# Altium PCB ui_brd_raton_v0.PcbDoc (part 1 of 4)
Units mm, origin at the board's own origin, x right, y up, seen from the top; angles counter-clockwise.
Board outline 280.16 x 208.53 mm, 2 copper layers (Top Layer, Bottom Layer); 354 components, 324 nets, 1344 pads, 595 vias.
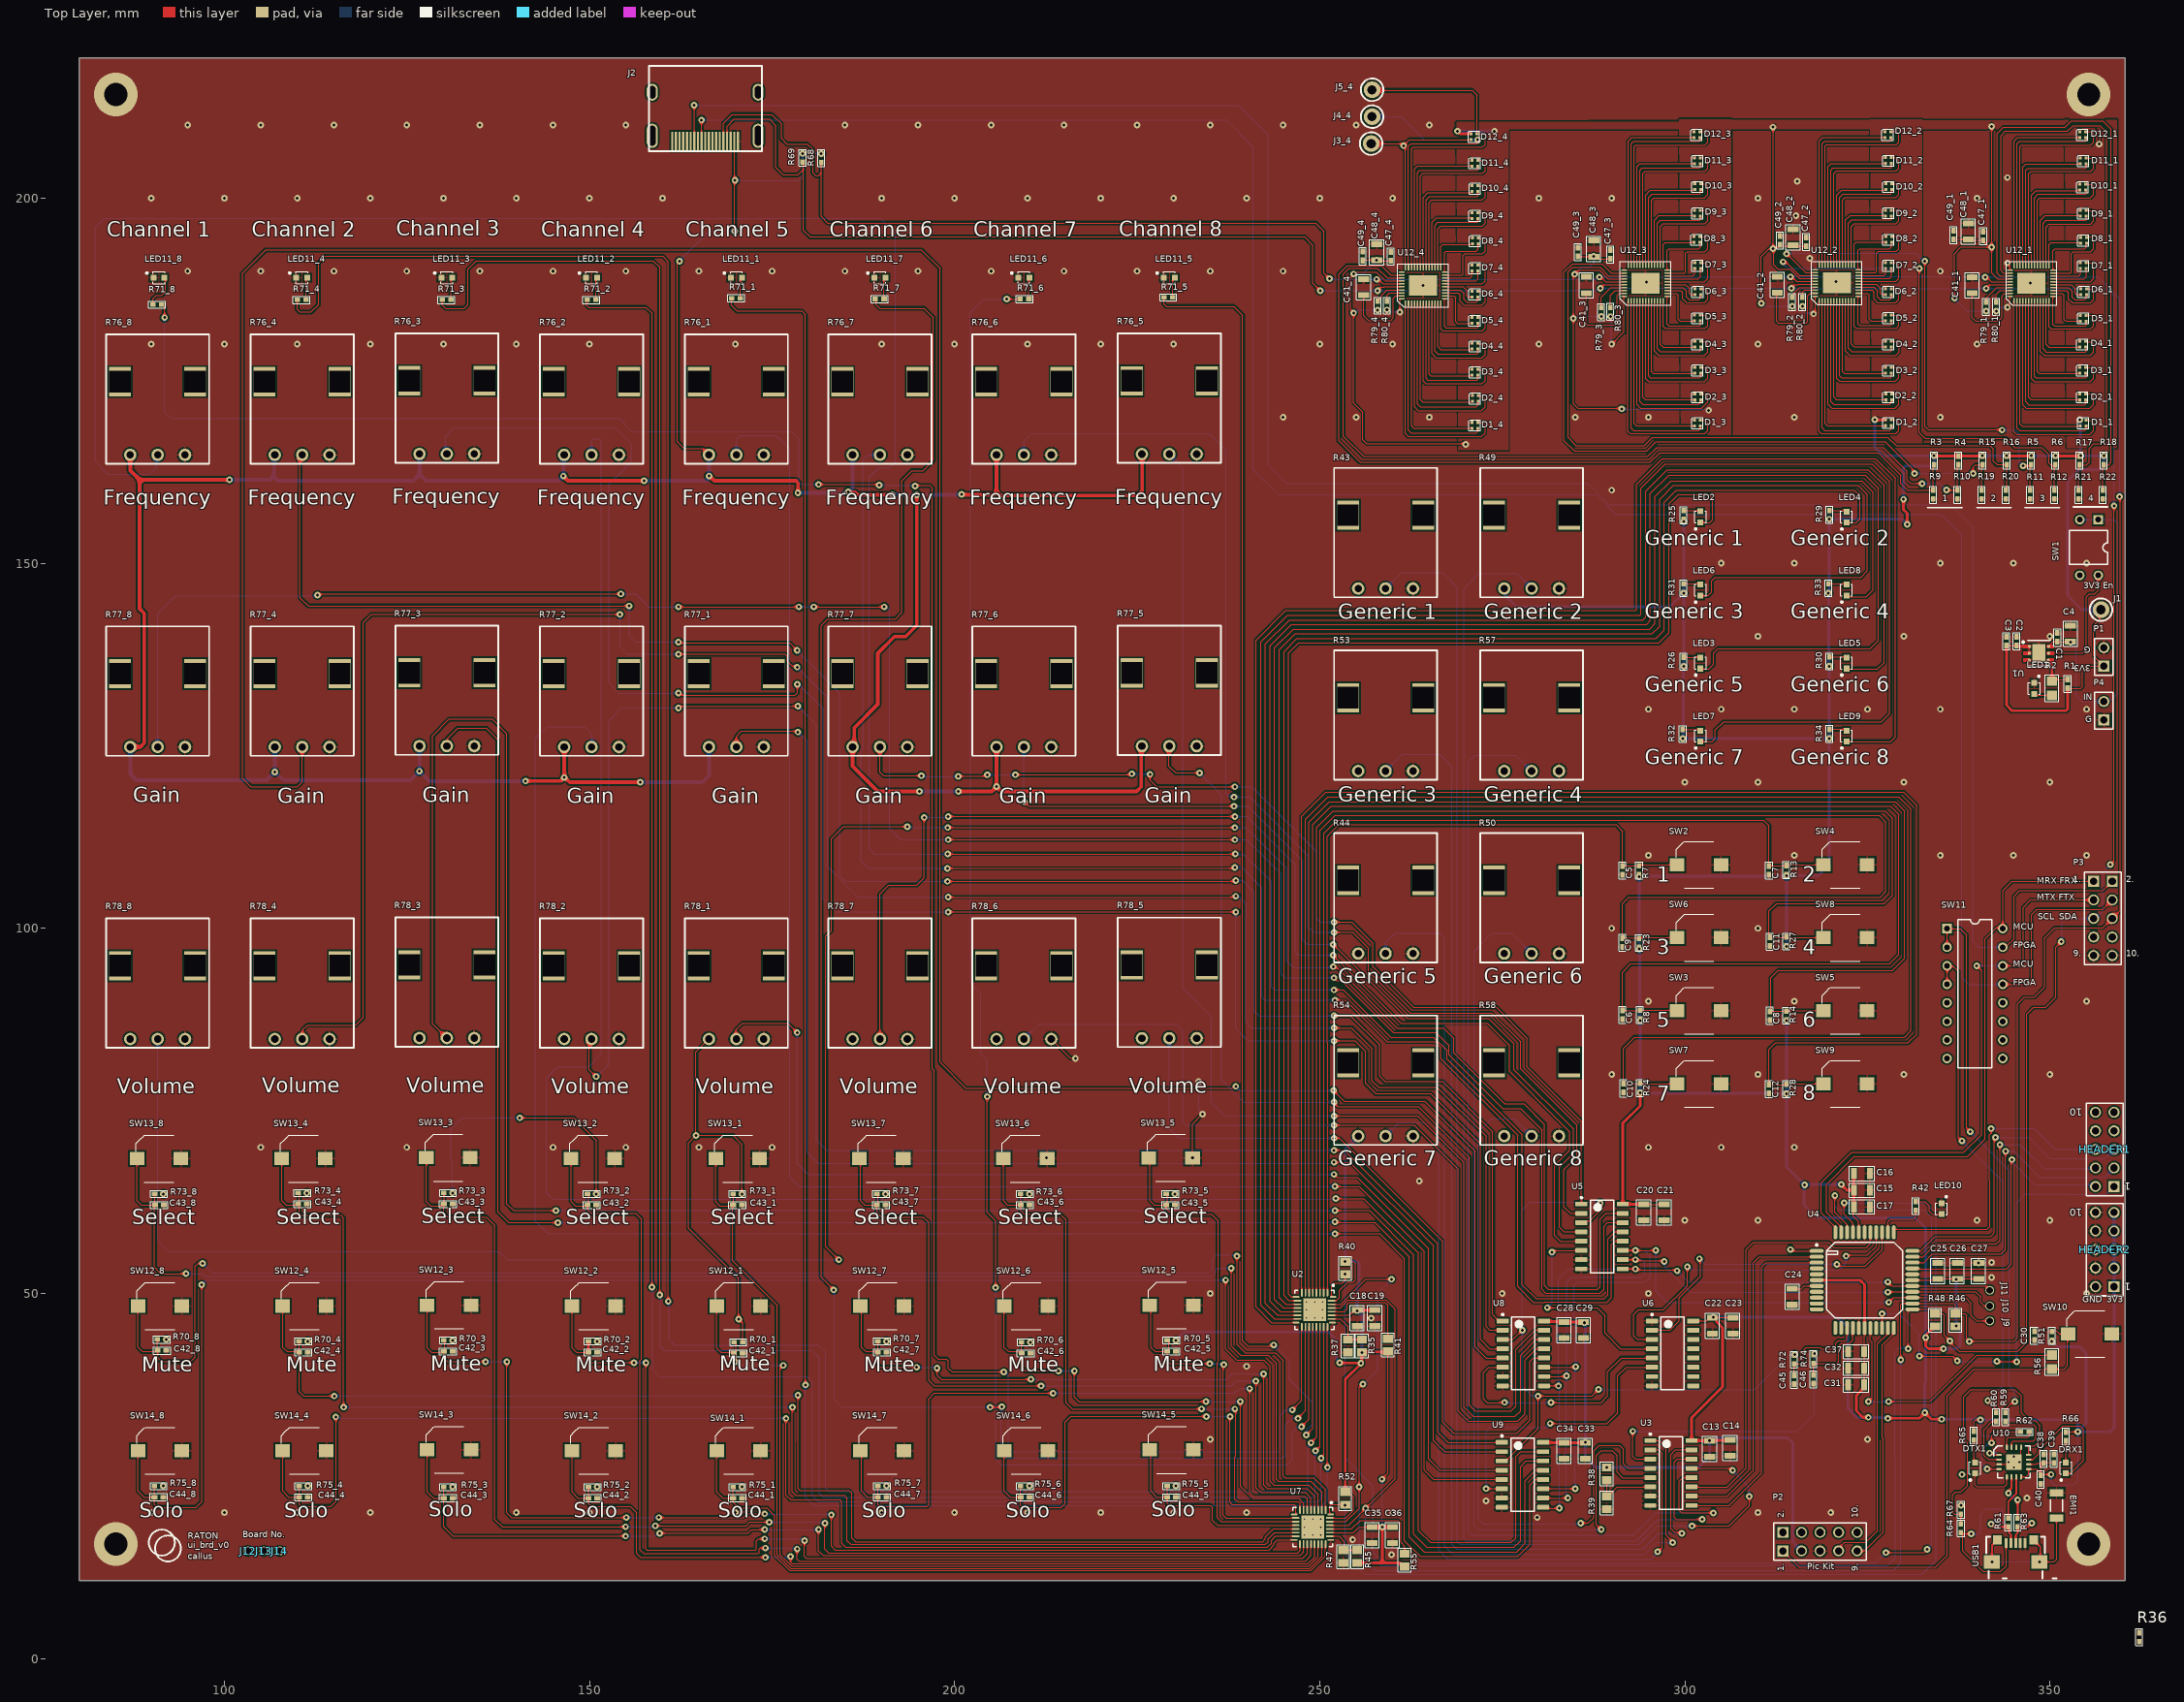
[diagram p0: Top Layer view]
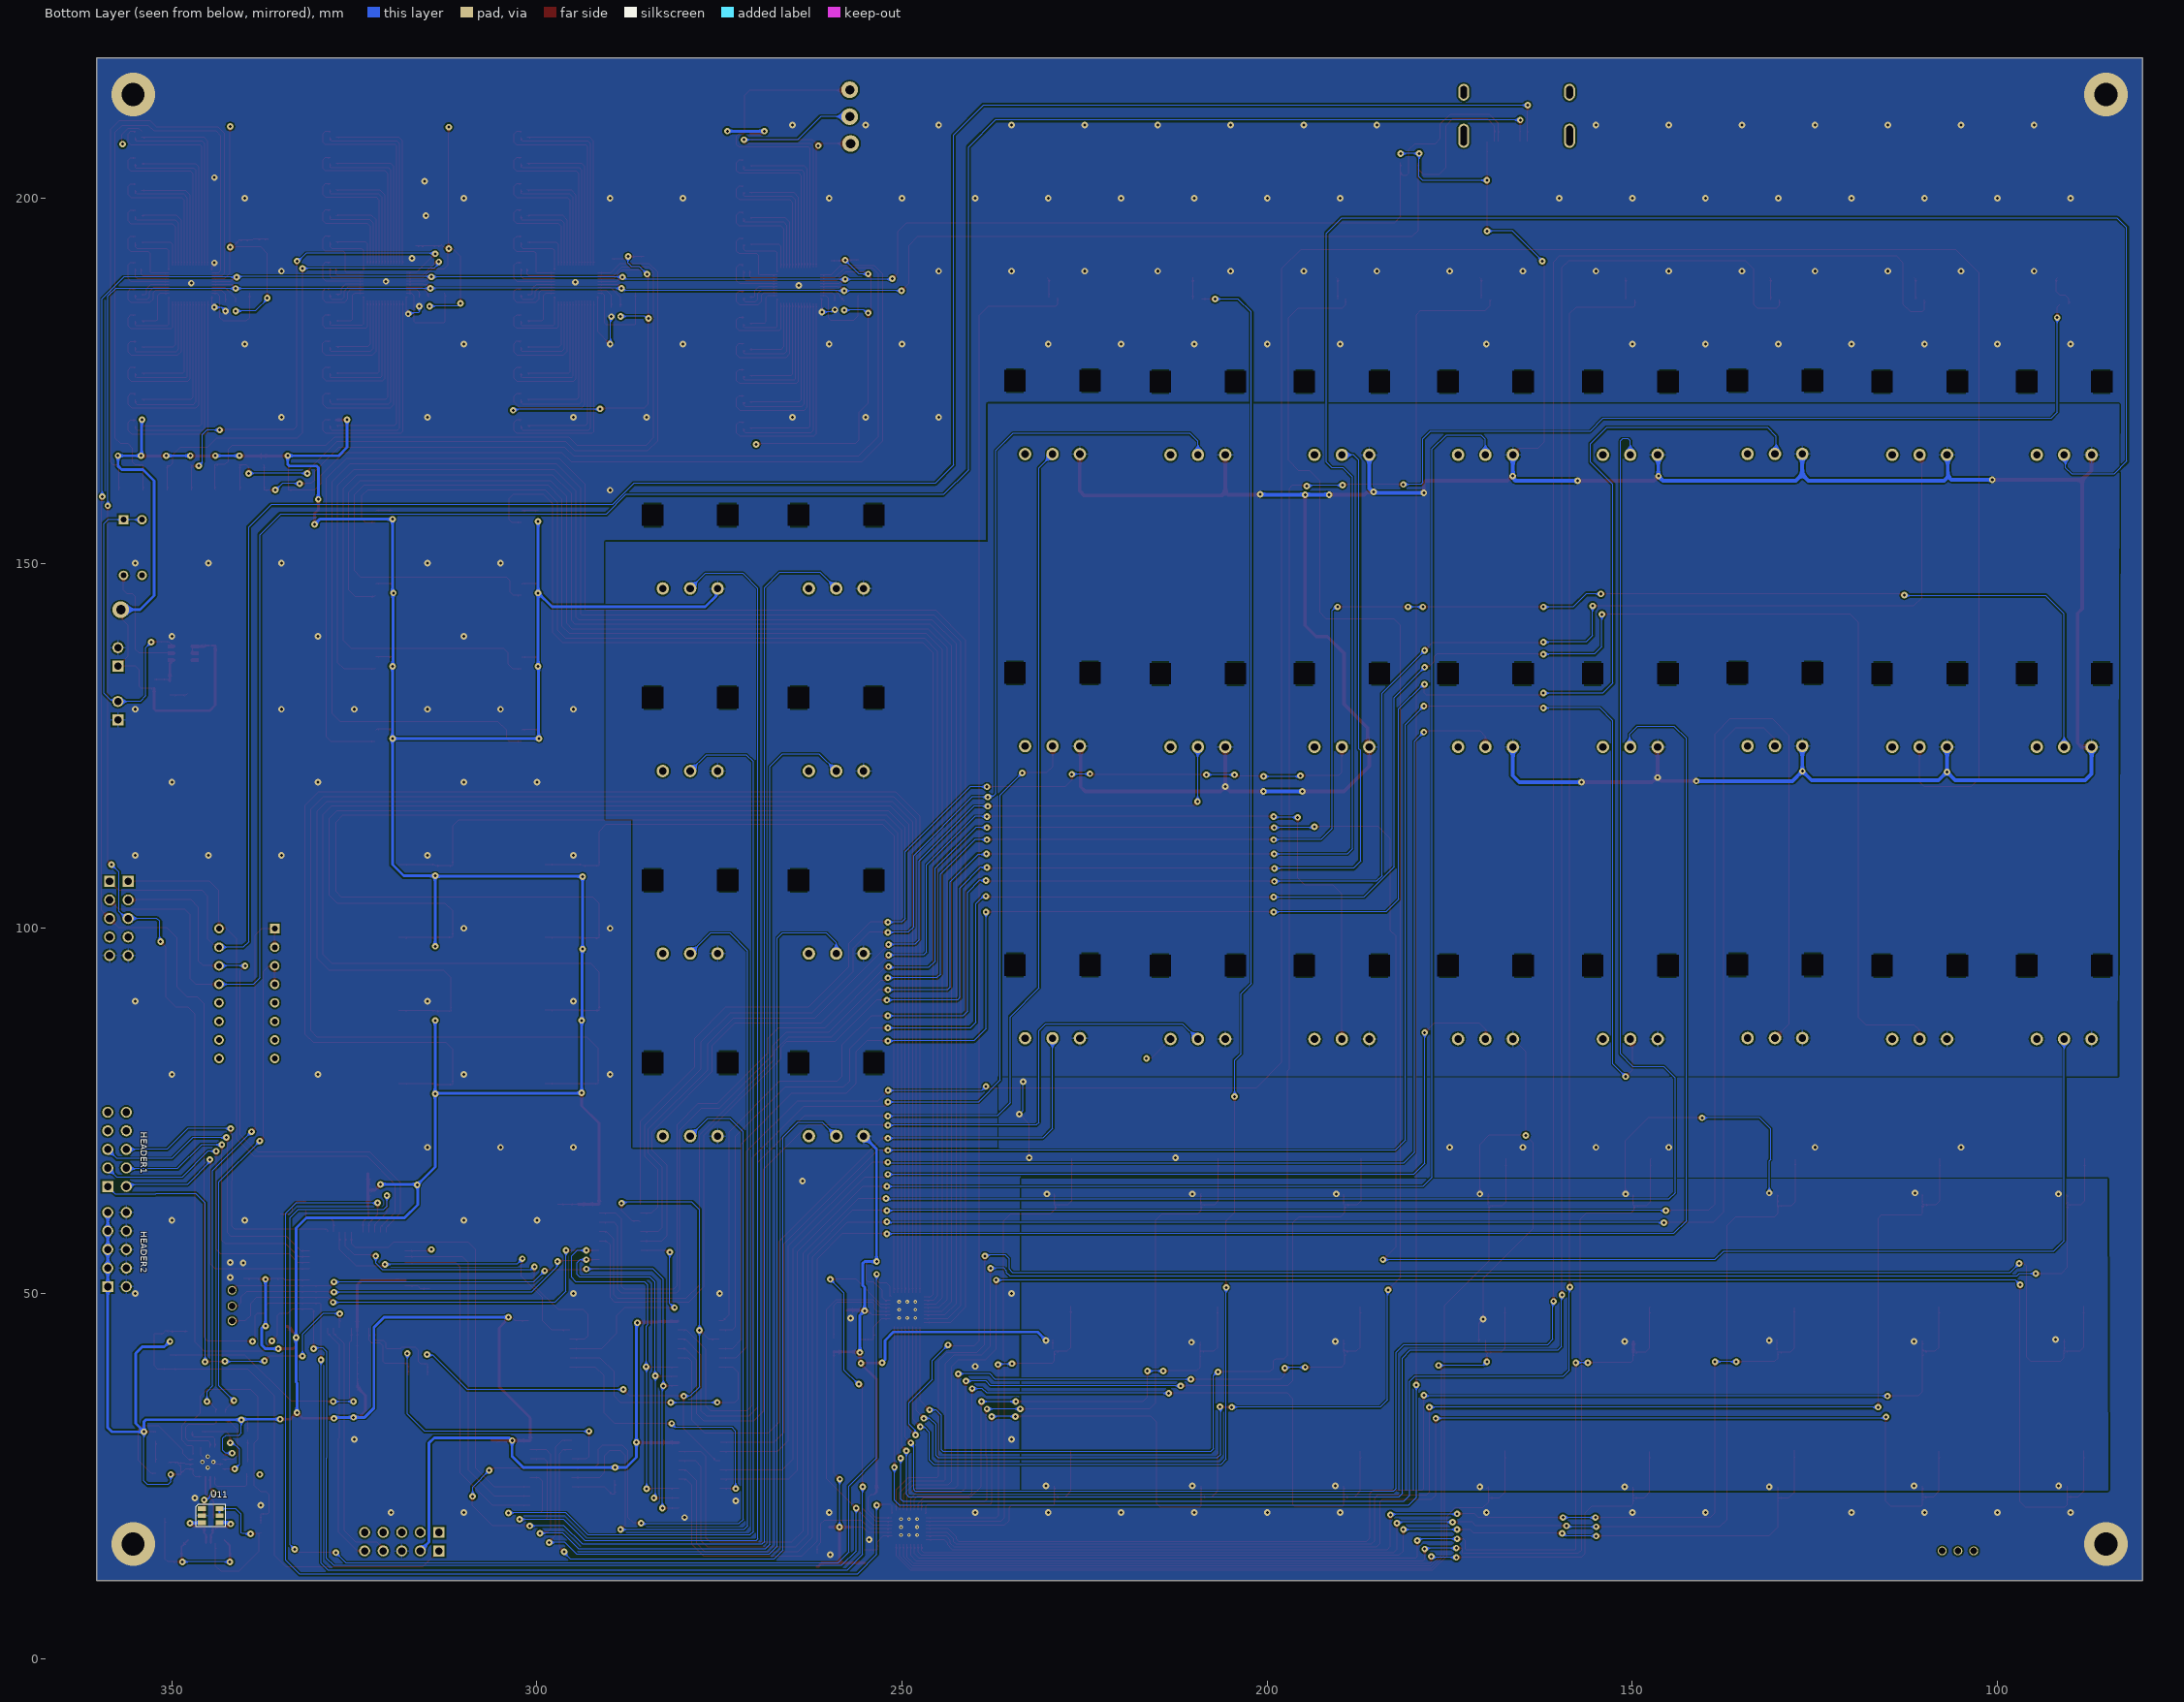
[diagram p1: Bottom Layer view, seen from below]

## Layer stack, top to bottom
Top Solder: solder mask 0.0102, Solder Resist, Dk 3.5
Top Layer: signal copper 0.0356
Dielectric 1: dielectric 0.32, FR-4, Dk 4.8
Bottom Layer: signal copper 0.0356
Bottom Solder: solder mask 0.0102, Solder Resist, Dk 3.5

## Board outline
80.137,10.668 80.137,219.202 360.299,219.202 360.299,10.668

## Design rules (kind name [scope] priority, off if disabled: settings)
Clearance [All] p1: gap=0.152 ignorepadtopadclearanceinfootprint=TRUE except(0: Arc-Hole Track-Hole SMDPad-Hole THPad-Hole Via-Hole Fill-Hole Poly-Hole Region-Hole Text-Hole; 0.22: Arc-Poly Track-Poly SMDPad-Poly THPad-Poly Via-Poly Fill-Poly Poly-Poly Poly-Region Poly-Text)
DiffPairsRouting [All] p1: maxlimit=0.254 minlimit=0.254 mostfreqgap=0.254 toplayer_minwidth=0.381 toplayer_maxwidth=0.381 toplayer_prefwidth=0.381 bottomlayer_minwidth=0.381 bottomlayer_maxwidth=0.381 bottomlayer_prefwidth=0.381 maxuncoupledlength=12.7
HoleSize [All] p1: absolutevalues=TRUE maxlimit=3.302 minlimit=0.025 maxpercent=80.000 minpercent=20.000
MinimumSolderMaskSliver [All] p1: minsoldermaskwidth=0
PlaneConnect [All] p1: pad.planeconnectstyle=Relief pad.reliefexpansion=0.508 pad.reliefentries=4 pad.reliefconductorwidth=0.254 pad.reliefairgap=0.254 via.planeconnectstyle=Direct via.reliefexpansion=0.508 via.reliefentries=4 via.reliefconductorwidth=0.254 via.reliefairgap=0.254
PolygonConnect [All] p1: thpad.connectstyle=Relief thpad.reliefconductorwidth=0.254 thpad.reliefentries=4 thpad.polygonreliefangle="90 Angle" thpad.airgapwidth=0.254 smdpad.connectstyle=Relief smdpad.reliefconductorwidth=0.254 smdpad.reliefentries=4 smdpad.polygonreliefangle="90 Angle" smdpad.airgapwidth=0.254 via.connectstyle=Direct via.reliefconductorwidth=0.254 via.reliefentries=4 via.polygonreliefangle="90 Angle" via.airgapwidth=0.254
RoutingVias [All] p1: holewidth=0.3 width=1.27 viastyle="Through Hole" minholewidth=0.3 minwidth=1.27 maxholewidth=3.2 maxwidth=1.27
SilkToSilkClearance [All] p1: silktosilkclearance=0
SilkToSolderMaskClearance [IsPad] p1: minsilkscreentomaskgap=0 clearancetoexposedcopper=TRUE
SolderMaskExpansion [All] p1: expansion=0.102 istentingtop=FALSE
Width [All] p1: maxlimit=0.508 minlimit=0.152 preferedwidth=0.152 minimp=50.000000 maximp=50.000000 favimp=50.000000
24 further rules are at their usual default settings.

## Classes and differential pairs
channel class "Parametric EQ": "U_Parametric EQ3" "U_Parametric EQ4" "U_Parametric EQ6" "U_Parametric EQ8"
channel class "dBFS Meter": "U_dBFS Meter1" "U_dBFS Meter3"
component class "UI Board TOP": J2 J12 J13 J14 P3 R68 R69 SW11
component class U_Power: C1 C2 C3 C4 J1 LED1 P1 P4 P? R1 R2 SW1 U1
component class "U_Parametric EQ5": C42_5 C43_5 C44_5 LED11_5 R70_5 R71_5 R73_5 R75_5 R76_5 R77_5 R78_5 SW12_5 SW13_5 SW14_5
component class "U_Parametric EQ6": C42_6 C43_6 C44_6 LED11_6 R70_6 R71_6 R73_6 R75_6 R76_6 R77_6 R78_6 SW12_6 SW13_6 SW14_6
component class "U_Parametric EQ7": C42_7 C43_7 C44_7 LED11_7 R70_7 R71_7 R73_7 R75_7 R76_7 R77_7 R78_7 SW12_7 SW13_7 SW14_7
component class "U_Parametric EQ1": C42_1 C43_1 C44_1 LED11_1 R70_1 R71_1 R73_1 R75_1 R76_1 R77_1 R78_1 SW12_1 SW13_1 SW14_1
component class "U_Parametric EQ2": C42_2 C43_2 C44_2 LED11_2 R70_2 R71_2 R73_2 R75_2 R76_2 R77_2 R78_2 SW12_2 SW13_2 SW14_2
component class "U_Parametric EQ3": C42_3 C43_3 C44_3 LED11_3 R70_3 R71_3 R73_3 R75_3 R76_3 R77_3 R78_3 SW12_3 SW13_3 SW14_3
component class "U_Parametric EQ4": C42_4 C43_4 C44_4 LED11_4 R70_4 R71_4 R73_4 R75_4 R76_4 R77_4 R78_4 SW12_4 SW13_4 SW14_4
component class "U_Parametric EQ8": C42_8 C43_8 C44_8 LED11_8 R70_8 R71_8 R73_8 R75_8 R76_8 R77_8 R78_8 SW12_8 SW13_8 SW14_8
component class U_Microcontroller: C5 C6 C7 C8 C9 C10 C11 C12 C13 C14 C15 C16 C17 C18 C19 C20 C21 C22 C23 C24 C25 C26 C27 C28 C29 C30 C31 C32 C33 C34 C35 C36 C37 C45 C46 HEADER1 HEADER2 J9 J10 J11 LED2 LED3 LED4 LED5 LED6 LED7 LED8 LED9 LED10 P2 R3 R4 R5 R6 R7 R8 R9 R10 R11 R12 R13 R14 R15 R16 R17 R18 R19 R20 R21 R22 R23 R24 R25 R26 R27 R28 R29 R30 R31 R32 R33 R34 R35 R36 R37 R38 R39 R40 R41 R42 R43 R44 R45 R46 R47 R48 R49 R50 R51 R52 R53 R54 R55 R56 R57 R58 R72 R74 SW2 SW3 SW4 SW5 SW6 SW7 SW8 SW9 SW10 U2 U3 U4 U5 U6 U7 U8 U9
component class "U_dBFS Meter1": C41_1 C47_1 C48_1 C49_1 D1_1 D2_1 D3_1 D4_1 D5_1 D6_1 D7_1 D8_1 D9_1 D10_1 D11_1 D12_1 R79_1 R80_1 U12_1
component class "U_dBFS Meter2": C41_2 C47_2 C48_2 C49_2 D1_2 D2_2 D3_2 D4_2 D5_2 D6_2 D7_2 D8_2 D9_2 D10_2 D11_2 D12_2 R79_2 R80_2 U12_2
component class "U_dBFS Meter3": C41_3 C47_3 C48_3 D1_3 D2_3 D3_3 D4_3 D5_3 D6_3 D7_3 D8_3 D9_3 D10_3 D11_3 D12_3 R79_3 R80_3 U12_3
component class "U_dBFS Meter4": C41_4 C47_4 C48_4 C49_4 D1_4 D2_4 D3_4 D4_4 D5_4 D6_4 D7_4 D8_4 D9_4 D10_4 D11_4 D12_4 J3_4 J4_4 J5_4 R79_4 R80_4 U12_4
component class U_Communications: C38 C39 C40 DRX1 DTX1 EMI1 R59 R60 R61 R62 R63 R64 R65 R66 R67 U10 U11 USB1
differential pair USB: +USB_P -USB_N
differential pair USB_D: +USB_D_P -USB_D_N

## Components (designator, comment, footprint, x,y, rotation, side; value= is the part's Value field where it differs from the comment)
C1 "CAP 10uF CER 0402 6.3V X5R 20%" 0402-M#1 351.028,139.827 r90 top value=10µF
C2 "CAP 0.1uF CER 0402 16V X5R 10%" 0402-M#1 345.44,139.319 r90 top value=100nF
C3 "CAP 10uF CER 0402 6.3V X5R 20%" 0402-M#1 344.043,139.319 r90 top value=10µF
C4 "CAP 0.1uF CER 0805 50V X7R 10%" 0805-M#1 352.806,140.335 r90 top value=100nF
C5 "CAP 0.1uF CER 0402 16V X5R 10%" 0402-M#1 291.465,107.95 r270 top value=100nF
C6 "CAP 0.1uF CER 0402 16V X5R 10%" 0402-M#1 291.465,88.138 r270 top value=100nF
C7 "CAP 0.1uF CER 0402 16V X5R 10%" 0402-M#1 311.531,107.95 r270 top value=100nF
C8 "CAP 0.1uF CER 0402 16V X5R 10%" 0402-M#1 311.658,88.046 r270 top value=100nF
C9 "CAP 0.1uF CER 0402 16V X5R 10%" 0402-M#1 291.465,98.044 r270 top value=100nF
C10 "CAP 0.1uF CER 0402 16V X5R 10%" 0402-M#1 291.592,78.105 r270 top value=100nF
C11 "CAP 0.1uF CER 0402 16V X5R 10%" 0402-M#1 311.658,98.171 r270 top value=100nF
C12 "CAP 0.1uF CER 0402 16V X5R 10%" 0402-M#1 311.531,77.978 r270 top value=100nF
C13 "CAP 0.1uF CER 0805 50V  X7R 5%" 0805-M#1 303.403,28.702 r270 top value=100nF
C14 "CAP 1uF CER 0805 25V C0G 10%" 0805-M#1 306.197,28.829 r270 top value=1µF
C15 "CAP 1uF CER 0805 25V C0G 10%" 0805-M#1 324.231,64.135 r0 top value=1µF
C16 "CAP 0.1uF CER 0805 50V  X7R 5%" 0805-M#1 324.231,66.421 r0 top value=100nF
C17 "CAP 1nF CER 0805 25V X7R 5%" 0805-M#1 324.231,61.849 r0 top value=1nF
C18 "CAP 0.1uF CER 0805 50V  X7R 5%" 0805-M#1 255.143,46.609 r270 top value=100nF
C19 "CAP 1uF CER 0805 25V C0G 10%" 0805-M#1 257.556,46.609 r270 top value=1µF
C20 "CAP 0.1uF CER 0805 50V  X7R 5%" 0805-M#1 294.386,61.087 r270 top value=100nF
C21 "CAP 1uF CER 0805 25V C0G 10%" 0805-M#1 297.18,61.087 r270 top value=1µF
C22 "CAP 0.1uF CER 0805 50V  X7R 5%" 0805-M#1 303.784,45.593 r270 top value=100nF
C23 "CAP 1uF CER 0805 25V C0G 10%" 0805-M#1 306.578,45.593 r270 top value=1µF
C24 "CAP 10uF CER 0805 25V X5R 10%" 0805-M#1 314.706,49.53 r270 top value=10µF
C25 "CAP 1uF CER 0805 25V C0G 10%" 0805-M#1 334.645,53.086 r90 top value=1µF
C26 "CAP 1nF CER 0805 25V X7R 5%" 0805-M#1 337.312,53.086 r90 top value=1nF
C27 "CAP 0.1uF CER 0805 50V  X7R 5%" 0805-M#1 340.233,53.086 r90 top value=100nF
C28 "CAP 0.1uF CER 0805 50V  X7R 5%" 0805-M#1 283.464,44.958 r270 top value=100nF
C29 "CAP 1uF CER 0805 25V C0G 10%" 0805-M#1 286.131,44.958 r270 top value=1µF
C30 "CAP 10uF CER 0402 6.3V X5R 20%" 0402-M#1 347.853,44.196 r270 top value=10µF
C31 "CAP 1uF CER 0805 25V C0G 10%" 0805-M#1 323.469,37.465 r180 top value=1µF
C32 "CAP 0.1uF CER 0805 50V  X7R 5%" 0805-M#1 323.469,39.751 r180 top value=100nF
C33 "CAP 0.1uF CER 0805 50V  X7R 5%" 0805-M#1 286.385,28.448 r270 top value=100nF
C34 "CAP 1uF CER 0805 25V C0G 10%" 0805-M#1 283.464,28.448 r270 top value=1µF
C35 "CAP 0.1uF CER 0805 50V  X7R 5%" 0805-M#1 257.175,16.891 r270 top value=100nF
C36 "CAP 1uF CER 0805 25V C0G 10%" 0805-M#1 259.969,16.891 r270 top value=1µF
C37 "CAP 1nF CER 0805 25V X7R 5%" 0805-M#1 323.469,42.037 r180 top value=1nF
C38 "CAP 0.1uF CER 0402 16V X5R 10%" 0402-M#1 349.123,27.358 r90 top value=100nF
C39 "CAP 0.1uF CER 0402 16V X5R 10%" 0402-M#1 350.52,27.358 r90 top value=100nF
C40 "CAP 0.1uF CER 0402 16V X5R 10%" 0402-M#1 348.742,24.529 r270 top value=100nF
C41_1 "CAP 1uF CER 0805 25V C0G 10%" 0805-M#1 339.344,188.087 r90 top value=1µF (schematic designator C41)
C41_2 "CAP 1uF CER 0805 25V C0G 10%" 0805-M#1 312.674,188.125 r90 top value=1µF (schematic designator C41)
C41_3 "CAP 1uF CER 0805 25V C0G 10%" 0805-M#1 286.506,188.106 r90 top value=1µF (schematic designator C41)
C41_4 "CAP 1uF CER 0805 25V C0G 10%" 0805-M#1 256.032,187.789 r90 top value=1µF (schematic designator C41)
C42_1 "CAP 0.1uF CER 0402 16V X5R 10%" 0402-M#1 170.399,41.783 r0 top value=100nF (schematic designator C42)
C42_2 "CAP 0.1uF CER 0402 16V X5R 10%" 0402-M#1 150.46,41.91 r0 top value=100nF (schematic designator C42)
C42_3 "CAP 0.1uF CER 0402 16V X5R 10%" 0402-M#1 130.648,42.037 r0 top value=100nF (schematic designator C42)
C42_4 "CAP 0.1uF CER 0402 16V X5R 10%" 0402-M#1 110.836,41.91 r0 top value=100nF (schematic designator C42)
C42_5 "CAP 0.1uF CER 0402 16V X5R 10%" 0402-M#1 229.708,42.037 r0 top value=100nF (schematic designator C42)
C42_6 "CAP 0.1uF CER 0402 16V X5R 10%" 0402-M#1 209.769,41.783 r0 top value=100nF (schematic designator C42)
C42_7 "CAP 0.1uF CER 0402 16V X5R 10%" 0402-M#1 190.084,41.91 r0 top value=100nF (schematic designator C42)
C42_8 "CAP 0.1uF CER 0402 16V X5R 10%" 0402-M#1 91.475,42.164 r0 top value=100nF (schematic designator C42)
C43_1 "CAP 0.1uF CER 0402 16V X5R 10%" 0402-M#1 170.272,62.103 r0 top value=100nF (schematic designator C43)
C43_2 "CAP 0.1uF CER 0402 16V X5R 10%" 0402-M#1 150.333,62.103 r0 top value=100nF (schematic designator C43)
C43_3 "CAP 0.1uF CER 0402 16V X5R 10%" 0402-M#1 130.648,62.23 r0 top value=100nF (schematic designator C43)
C43_4 "CAP 0.1uF CER 0402 16V X5R 10%" 0402-M#1 110.709,62.23 r0 top value=100nF (schematic designator C43)
C43_5 "CAP 0.1uF CER 0402 16V X5R 10%" 0402-M#1 229.581,62.103 r0 top value=100nF (schematic designator C43)
C43_6 "CAP 0.1uF CER 0402 16V X5R 10%" 0402-M#1 209.642,62.103 r0 top value=100nF (schematic designator C43)
C43_7 "CAP 0.1uF CER 0402 16V X5R 10%" 0402-M#1 189.957,62.103 r0 top value=100nF (schematic designator C43)
C43_8 "CAP 0.1uF CER 0402 16V X5R 10%" 0402-M#1 91.094,62.103 r0 top value=100nF (schematic designator C43)
C44_1 "CAP 0.1uF CER 0402 16V X5R 10%" 0402-M#1 170.272,21.971 r0 top value=100nF (schematic designator C44)
C44_2 "CAP 0.1uF CER 0402 16V X5R 10%" 0402-M#1 150.46,21.971 r0 top value=100nF (schematic designator C44)
C44_3 "CAP 0.1uF CER 0402 16V X5R 10%" 0402-M#1 130.648,21.971 r0 top value=100nF (schematic designator C44)
C44_4 "CAP 0.1uF CER 0402 16V X5R 10%" 0402-M#1 110.836,22.098 r0 top value=100nF (schematic designator C44)
C44_5 "CAP 0.1uF CER 0402 16V X5R 10%" 0402-M#1 229.708,22.098 r0 top value=100nF (schematic designator C44)
C44_6 "CAP 0.1uF CER 0402 16V X5R 10%" 0402-M#1 209.642,22.098 r0 top value=100nF (schematic designator C44)
C44_7 "CAP 0.1uF CER 0402 16V X5R 10%" 0402-M#1 190.084,22.098 r0 top value=100nF (schematic designator C44)
C44_8 "CAP 0.1uF CER 0402 16V X5R 10%" 0402-M#1 91.024,22.103 r0 top value=100nF (schematic designator C44)
C45 "CAP 1uF CER 0402 6.3V X5R 10%" 0402-M#1 314.96,38.192 r270 top value=1µF
C46 "CAP 1uF CER 0402 6.3V X5R 10%" 0402-M#1 317.627,38.227 r270 top value=1µF
C47_1 "CAP 1nF CER 0402 50V X5R 10%" 0402-M#1 340.868,194.818 r90 top value=1nF (schematic designator C47)
C47_2 "CAP 1nF CER 0402 50V X5R 10%" 0402-M#1 316.611,194.021 r90 top value=1nF (schematic designator C47)
C47_3 "CAP 1nF CER 0402 50V X5R 10%" 0402-M#1 289.814,192.278 r90 top value=1nF (schematic designator C47)
C47_4 "CAP 1nF CER 0402 50V X5R 10%" 0402-M#1 259.715,192.024 r90 top value=1nF (schematic designator C47)
C48_1 "CAP 0.1uF CER 0805 50V  X7R 5%" 0805-M#1 338.836,195.453 r90 top value=100nF (schematic designator C48)
C48_2 "CAP 0.1uF CER 0805 50V  X7R 5%" 0805-M#1 314.833,194.648 r90 top value=100nF (schematic designator C48)
C48_3 "CAP 0.1uF CER 0805 50V  X7R 5%" 0805-M#1 287.528,193.083 r90 top value=100nF (schematic designator C48)
C48_4 "CAP 0.1uF CER 0805 50V  X7R 5%" 0805-M#1 257.81,192.616 r90 top value=100nF (schematic designator C48)
C49_1 "CAP 1uF CER 0402 25V X5R 20%" 0402-M#1 336.804,194.945 r90 top value=1µF (schematic designator C49)
C49_2 "CAP 1uF CER 0402 25V X5R 20%" 0402-M#1 313.055,194.218 r90 top value=1µF (schematic designator C49)
C49_3 "CAP 1uF CER 0402 25V X5R 20%" 0402-M#1 285.369,192.624 r90 top value=1µF (schematic designator C49)
C49_4 "CAP 1uF CER 0402 25V X5R 20%" 0402-M#1 255.905,192.059 r90 top value=1µF (schematic designator C49)
D1_1 "IN-B101FCH" SML-LXR0804RGBC-TR 354.565,169.164 r90 top (schematic designator D1)
D1_2 "IN-B101FCH" SML-LXR0804RGBC-TR 327.895,169.202 r90 top (schematic designator D1)
D1_3 "IN-B101FCH" SML-LXR0804RGBC-TR 301.727,169.183 r90 top (schematic designator D1)
D1_4 "IN-B101FCH" SML-LXR0804RGBC-TR 271.253,168.866 r90 top (schematic designator D1)
D2_1 "IN-B101FCH" SML-LXR0804RGBC-TR 354.457,172.72 r90 top (schematic designator D2)
D2_2 "IN-B101FCH" SML-LXR0804RGBC-TR 327.914,172.72 r90 top (schematic designator D2)
D2_3 "IN-B101FCH" SML-LXR0804RGBC-TR 301.752,172.72 r90 top (schematic designator D2)
D2_4 "IN-B101FCH" SML-LXR0804RGBC-TR 271.291,172.549 r90 top (schematic designator D2)
D3_1 "IN-B101FCH" SML-LXR0804RGBC-TR 354.457,176.403 r90 top (schematic designator D3)
D3_2 "IN-B101FCH" SML-LXR0804RGBC-TR 327.895,176.383 r90 top (schematic designator D3)
D3_3 "IN-B101FCH" SML-LXR0804RGBC-TR 301.752,176.403 r90 top (schematic designator D3)
D3_4 "IN-B101FCH" SML-LXR0804RGBC-TR 271.272,176.149 r90 top (schematic designator D3)
D4_1 "IN-B101FCH" SML-LXR0804RGBC-TR 354.457,179.959 r90 top (schematic designator D4)
D4_2 "IN-B101FCH" SML-LXR0804RGBC-TR 327.895,179.974 r90 top (schematic designator D4)
D4_3 "IN-B101FCH" SML-LXR0804RGBC-TR 301.752,179.959 r90 top (schematic designator D4)
D4_4 "IN-B101FCH" SML-LXR0804RGBC-TR 271.272,179.705 r90 top (schematic designator D4)
D5_1 "IN-B101FCH" SML-LXR0804RGBC-TR 354.565,183.527 r90 top (schematic designator D5)
D5_2 "IN-B101FCH" SML-LXR0804RGBC-TR 327.895,183.565 r90 top (schematic designator D5)
D5_3 "IN-B101FCH" SML-LXR0804RGBC-TR 301.727,183.546 r90 top (schematic designator D5)
D5_4 "IN-B101FCH" SML-LXR0804RGBC-TR 271.253,183.229 r90 top (schematic designator D5)
D6_1 "IN-B101FCH" SML-LXR0804RGBC-TR 354.603,187.154 r90 top (schematic designator D6)
D6_2 "IN-B101FCH" SML-LXR0804RGBC-TR 327.895,187.155 r90 top (schematic designator D6)
D6_3 "IN-B101FCH" SML-LXR0804RGBC-TR 301.771,187.154 r90 top (schematic designator D6)
D6_4 "IN-B101FCH" SML-LXR0804RGBC-TR 271.253,186.819 r90 top (schematic designator D6)
D7_1 "IN-B101FCH" SML-LXR0804RGBC-TR 354.565,190.708 r90 top (schematic designator D7)
D7_2 "IN-B101FCH" SML-LXR0804RGBC-TR 327.895,190.746 r90 top (schematic designator D7)